# KiCad board sakura50.kicad_pcb
title: Sakura50; date: 2022-03-10; rev: 1.0; company: HorrorTroll
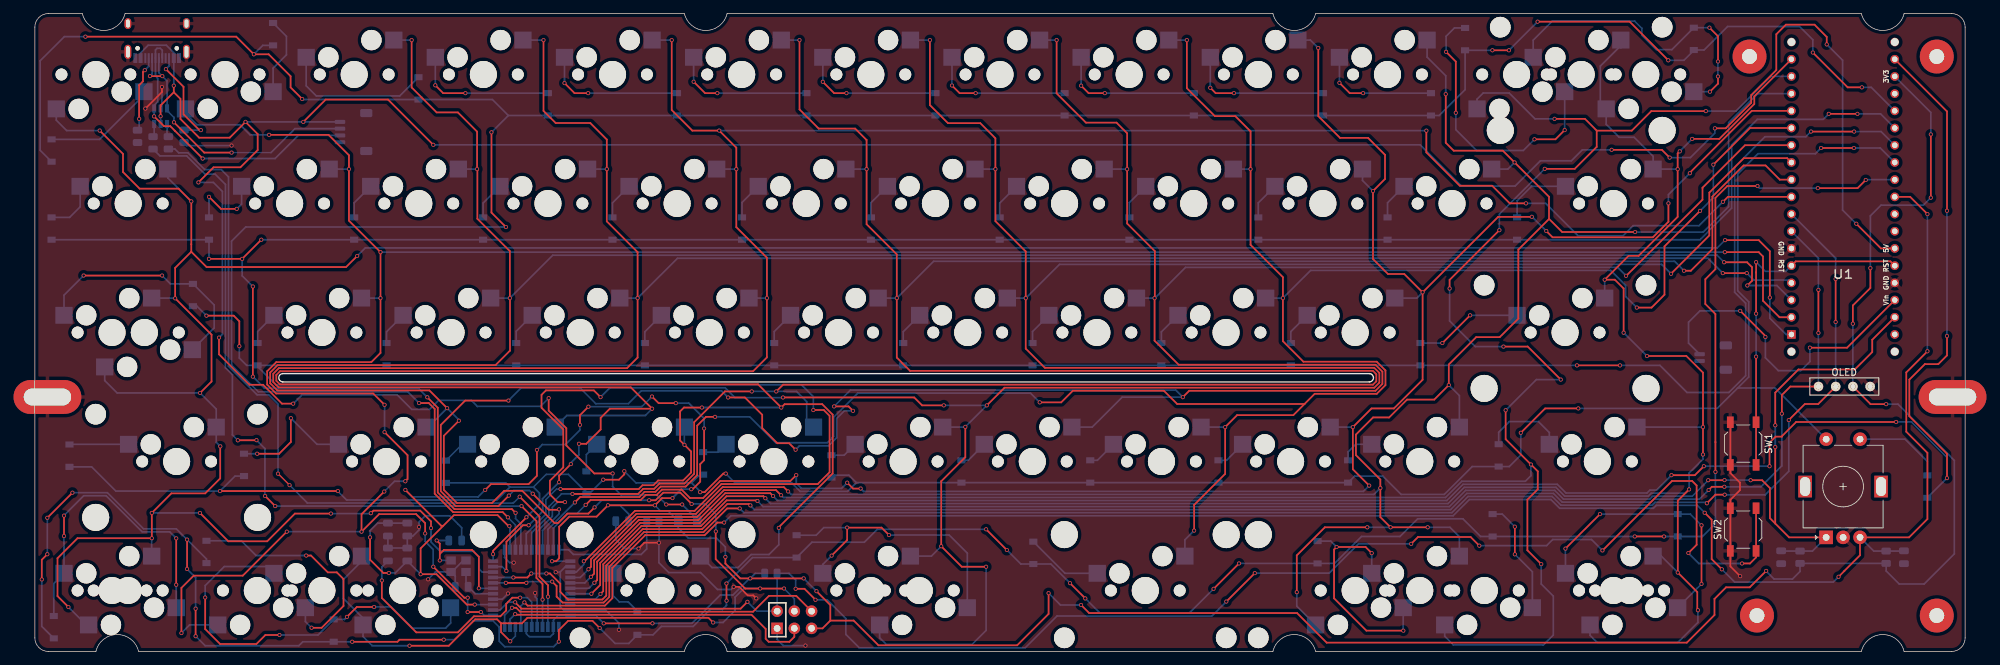
[diagram p0: board, top side]
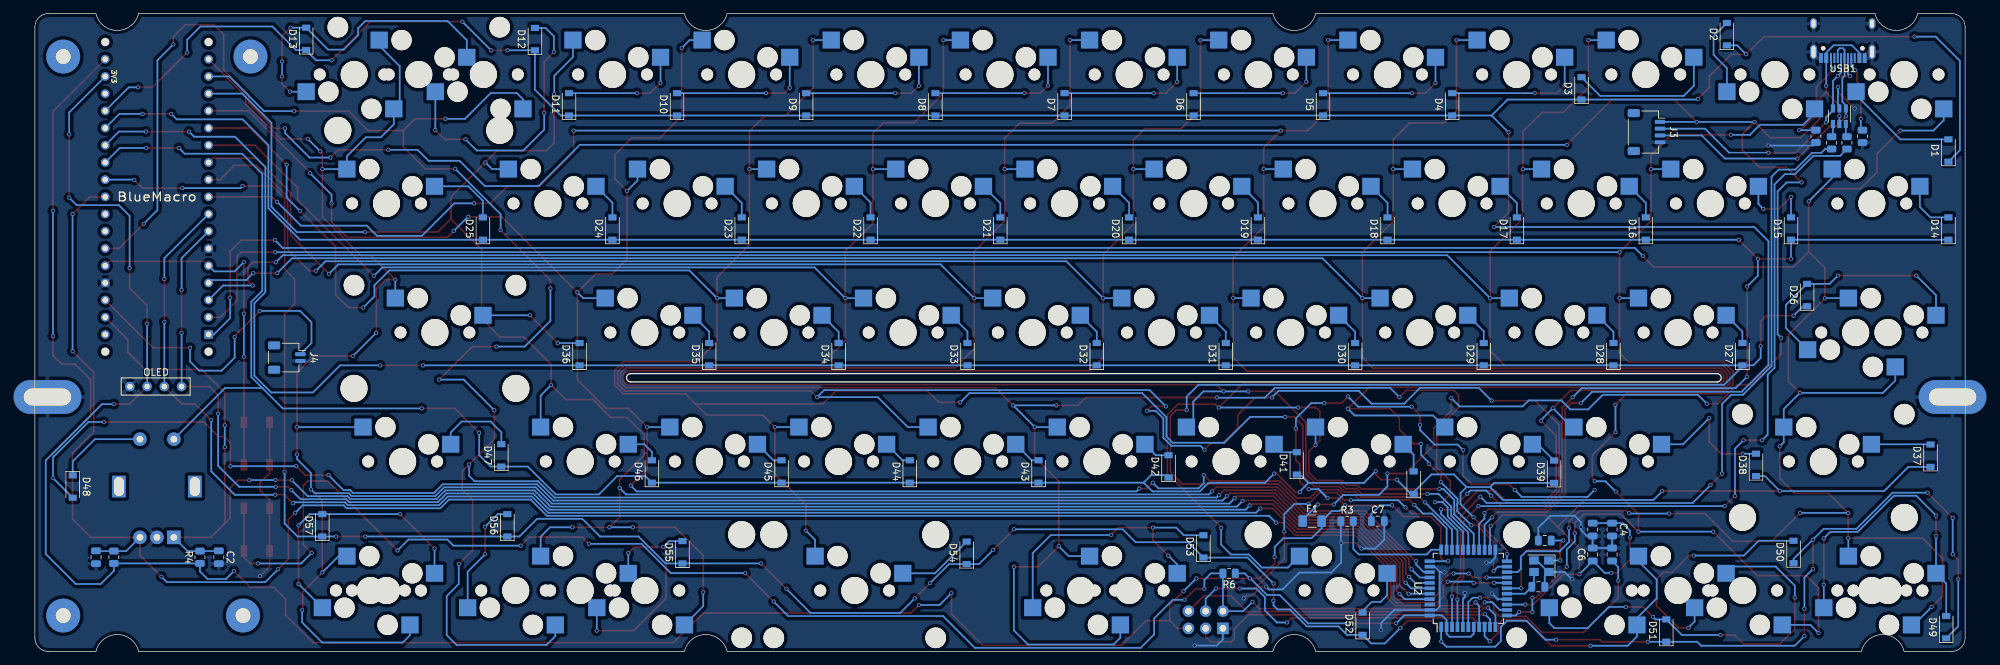
[diagram p1: board, bottom side, seen from below]

Outline 284.7 x 94.2 mm; copper layers: Top, Bottom. Coordinates in mm from the lower left corner of the outline.
Outline path: 0,92.2 0,2 arc(0.59,0.59) 2,0 9,0 arc(12.15,2.5) 15.3,0 95.8,0 arc(98.95,2.5) 102.1,0 182.6,0 arc(185.75,2.5) 188.9,0 269.4,0 arc(272.55,2.5) 275.7,0 282.7,0 arc(284.11,0.59) 284.7,2 284.7,92.2 arc(284.11,93.61) 282.7,94.2 275.7,94.2 arc(272.55,91.7) 269.4,94.2 188.9,94.2 arc(185.75,91.7) 182.6,94.2 102.1,94.2 arc(98.95,91.7) 95.8,94.2 13.3,94.2 arc(10.15,91.7) 7,94.2 2,94.2 arc(0.59,93.61) 0,92.2 ; 36.56,39.8 arc(35.98,40.42) 36.56,41.03 196.85,41.03 arc(197.43,40.42) 196.85,39.8 36.56,39.8

## Placement (name value [footprint] x y rotation side)
C1  1u  [C_0805_2012Metric]  52.07 14.32 90 bottom
C2  100n  [C_0805_2012Metric]  257.57 13.91 270 bottom
C3  100n  [C_0805_2012Metric]  275.68 13.91 270 bottom
C4  0.1u  [C_0805_2012Metric]  52.07 18 270 bottom
C5  0.1u  [C_0805_2012Metric]  54.93 18 270 bottom
C6  0.1u  [C_0805_2012Metric]  54.93 14.32 90 bottom
C7  10u  [C_0805_2012Metric]  86.63 19.24 180 bottom
C8  22p  [C_0805_2012Metric]  62.95 9.55 180 bottom
C9  22p  [C_0805_2012Metric]  62 16.38 0 bottom
D1  1N4148  [D_SOD-123]  2.46 73.97 90 bottom
D2  1N4148  [D_SOD-123]  35.14 91.15 90 bottom
D3  1N4148  [D_SOD-123]  56.58 83.15 90 bottom
D4  1N4148  [D_SOD-123]  75.66 80.79 90 bottom
D5  1N4148  [D_SOD-123]  94.71 80.79 90 bottom
D6  1N4148  [D_SOD-123]  113.8 80.79 90 bottom
D7  1N4148  [D_SOD-123]  132.83 80.79 90 bottom
D8  1N4148  [D_SOD-123]  151.88 80.79 90 bottom
D9  1N4148  [D_SOD-123]  170.94 80.79 90 bottom
D10  1N4148  [D_SOD-123]  189.99 80.79 90 bottom
D11  1N4148  [D_SOD-123]  205.92 80.79 90 bottom
D12  1N4148  [D_SOD-123]  210.94 90.42 90 bottom
D13  1N4148  [D_SOD-123]  244.68 90.46 90 bottom
D14  1N4148  [D_SOD-123]  2.46 62.45 90 bottom
D15  1N4148  [D_SOD-123]  25.68 62.45 90 bottom
D16  1N4148  [D_SOD-123]  47.09 62.45 90 bottom
D17  1N4148  [D_SOD-123]  66.11 62.45 90 bottom
D18  1N4148  [D_SOD-123]  85.19 62.45 90 bottom
D19  1N4148  [D_SOD-123]  104.3 62.45 90 bottom
D20  1N4148  [D_SOD-123]  123.31 62.45 90 bottom
D21  1N4148  [D_SOD-123]  142.3 62.45 90 bottom
D22  1N4148  [D_SOD-123]  161.44 62.45 90 bottom
D23  1N4148  [D_SOD-123]  180.44 62.45 90 bottom
D24  1N4148  [D_SOD-123]  199.51 62.45 90 bottom
D25  1N4148  [D_SOD-123]  218.62 62.45 90 bottom
D26  1N4148  [D_SOD-123]  23.31 52.63 90 bottom
D27  1N4148  [D_SOD-123]  32.85 43.9 90 bottom
D28  1N4148  [D_SOD-123]  51.87 43.9 90 bottom
D29  1N4148  [D_SOD-123]  70.99 43.9 90 bottom
D30  1N4148  [D_SOD-123]  89.97 43.9 90 bottom
D31  1N4148  [D_SOD-123]  109.05 43.9 90 bottom
D32  1N4148  [D_SOD-123]  128.08 43.9 90 bottom
D33  1N4148  [D_SOD-123]  147.15 43.9 90 bottom
D34  1N4148  [D_SOD-123]  166.15 43.9 90 bottom
D35  1N4148  [D_SOD-123]  185.25 43.9 90 bottom
D36  1N4148  [D_SOD-123]  204.36 43.9 90 bottom
D37  1N4148  [D_SOD-123]  5.1 28.91 90 bottom
D38  1N4148  [D_SOD-123]  30.84 27.55 90 bottom
D39  1N4148  [D_SOD-123]  60.63 26.54 90 bottom
D40  1N4148  [D_SOD-123]  81.34 24.94 90 bottom
D41  1N4148  [D_SOD-123]  98.57 27.77 90 bottom
D42  1N4148  [D_SOD-123]  117.49 27.33 90 bottom
D43  1N4148  [D_SOD-123]  136.66 26.58 90 bottom
D44  1N4148  [D_SOD-123]  155.66 26.58 90 bottom
D45  1N4148  [D_SOD-123]  174.57 26.58 90 bottom
D46  1N4148  [D_SOD-123]  193.69 26.58 90 bottom
D47  1N4148  [D_SOD-123]  215.9 28.95 90 bottom
D48  1N4148  [D_SOD-123]  279.12 24.35 270 bottom
D49  1N4148  [D_SOD-123]  2.79 3.58 90 bottom
D50  1N4148  [D_SOD-123]  25.31 14.69 90 bottom
D51  1N4148  [D_SOD-123]  44.08 3.08 90 bottom
D52  1N4148  [D_SOD-123]  88.87 4.1 90 bottom
D53  1N4148  [D_SOD-123]  112.35 15.51 90 bottom
D54  1N4148  [D_SOD-123]  147.27 14.56 90 bottom
D55  1N4148  [D_SOD-123]  189.19 14.65 90 bottom
D56  1N4148  [D_SOD-123]  215.01 18.63 90 bottom
D57  1N4148  [D_SOD-123]  242.3 18.63 90 bottom
F1  500mA  [Fuse_1206_3216Metric]  96.31 19.24 180 bottom
H1  M2  [MountingHole_M2]  252.9 87.85 0 top
H2  M2  [MountingHole_M2]  280.52 87.85 0 top
H3  M2  [MountingHole_M2]  254 5.3 0 top
H4  M2  [MountingHole_M2]  280.52 5.3 0 top
J1  -  [OLED]  263.07 39.12 0 top
J2  AVR-ISP-6  [Reset_Pretty]  112.02 4.68 270 top
J3  JST SH 4-pin  [JST_SH_SM04B-SRSS-TB_1x04-1MP_P1.00mm_Horizontal]  47 76.7 270 bottom
J4  Battery  [JST_SH_SM02B-SRSS-TB_1x02-1MP_P1.00mm_Horizontal]  247.54 43.4 270 bottom
MX1  1u  [MXOnly-1U-Hotswap]  9 85.2 180 top
MX2  1u  [MXOnly-1U-Hotswap]  28.05 85.2 180 top
MX3  1u  [MXOnly-1U-Hotswap]  47.1 85.2 0 top
MX4  1u  [MXOnly-1U-Hotswap]  66.15 85.2 0 top
MX5  1u  [MXOnly-1U-Hotswap]  85.2 85.2 0 top
MX6  1u  [MXOnly-1U-Hotswap]  104.25 85.2 0 top
MX7  1u  [MXOnly-1U-Hotswap]  123.3 85.2 0 top
MX8  1u  [MXOnly-1U-Hotswap]  142.35 85.2 0 top
MX9  1u  [MXOnly-1U-Hotswap]  161.4 85.2 0 top
MX10  1u  [MXOnly-1U-Hotswap]  180.45 85.2 0 top
MX11  1u  [MXOnly-1U-Hotswap]  199.5 85.2 0 top
MX12  1u  [MXOnly-1U-Hotswap]  218.55 85.2 180 top
MX13  1u  [MXOnly-1U-Hotswap]  237.6 85.2 180 top
MX14  2u  [MXOnly-2U-Hotswap]  228.08 85.2 0 top
MX15  1.5u  [MXOnly-1.5U-Hotswap]  13.76 66.15 0 top
MX16  1u  [MXOnly-1U-Hotswap]  37.58 66.15 0 top
MX17  1u  [MXOnly-1U-Hotswap]  56.62 66.15 0 top
MX18  1u  [MXOnly-1U-Hotswap]  75.67 66.15 0 top
MX19  1u  [MXOnly-1U-Hotswap]  94.72 66.15 0 top
MX20  1u  [MXOnly-1U-Hotswap]  113.78 66.15 0 top
MX21  1u  [MXOnly-1U-Hotswap]  132.82 66.15 0 top
MX22  1u  [MXOnly-1U-Hotswap]  151.88 66.15 0 top
MX23  1u  [MXOnly-1U-Hotswap]  170.93 66.15 0 top
MX24  1u  [MXOnly-1U-Hotswap]  189.97 66.15 0 top
MX25  1u  [MXOnly-1U-Hotswap]  209.03 66.15 0 top
MX26  1.5u  [MXOnly-1.5U-Hotswap]  232.84 66.15 0 top
MX27  1.25u  [MXOnly-1.25U-Hotswap]  11.38 47.1 0 top
MX28  1.75u  [MXOnly-1.75U-Hotswap]  16.14 47.1 180 top
MX29  1u  [MXOnly-1U-Hotswap]  42.34 47.1 0 top
MX30  1u  [MXOnly-1U-Hotswap]  61.39 47.1 0 top
MX31  1u  [MXOnly-1U-Hotswap]  80.44 47.1 0 top
MX32  1u  [MXOnly-1U-Hotswap]  99.49 47.1 0 top
MX33  1u  [MXOnly-1U-Hotswap]  118.54 47.1 0 top
MX34  1u  [MXOnly-1U-Hotswap]  137.59 47.1 0 top
MX35  1u  [MXOnly-1U-Hotswap]  156.64 47.1 0 top
MX36  1u  [MXOnly-1U-Hotswap]  175.69 47.1 0 top
MX37  1u  [MXOnly-1U-Hotswap]  194.74 47.1 0 top
MX38  2.25u  [MXOnly-2.25U-Hotswap]  225.7 47.1 0 top
MX39  2.25u  [MXOnly-2.25U-Hotswap]  20.91 28.05 0 top
MX40  1u  [MXOnly-1U-Hotswap]  51.86 28.05 0 top
MX41  1u  [MXOnly-1U-Hotswap]  70.91 28.05 0 top
MX42  1u  [MXOnly-1U-Hotswap]  89.96 28.05 0 top
MX43  1u  [MXOnly-1U-Hotswap]  109.01 28.05 0 top
MX44  1u  [MXOnly-1U-Hotswap]  128.06 28.05 0 top
MX45  1u  [MXOnly-1U-Hotswap]  147.11 28.05 0 top
MX46  1u  [MXOnly-1U-Hotswap]  166.16 28.05 0 top
MX47  1u  [MXOnly-1U-Hotswap]  185.21 28.05 0 top
MX48  1u  [MXOnly-1U-Hotswap]  204.26 28.05 0 top
MX49  1.75u  [MXOnly-1.75U-Hotswap]  230.45 28.05 0 top
MX50  Knob  [RotaryEncoder_EC11]  266.7 24.35 90 top
MX51  1.25u  [MXOnly-1.25U-Hotswap]  11.38 9 0 top
MX52  1u  [MXOnly-1U-Hotswap]  32.81 9 180 top
MX53  1.25u  [MXOnly-1.25U-Hotswap]  54.24 9 180 top
MX54  2.75u  [MXOnly-2.75U-Hotswap-ReversedStabilizers]  92.34 9 0 top
MX55  1.25u  [MXOnly-1.25U-Hotswap]  130.44 9 180 top
MX56  2.25u  [MXOnly-2.25U-Hotswap-ReversedStabilizers]  163.78 9 0 top
MX57  1u  [MXOnly-1U-Hotswap]  194.73 9 180 top
MX58  1u  [MXOnly-1U-Hotswap]  213.78 9 180 top
MX59  1.25u  [MXOnly-1.25U-Hotswap]  235.21 9 180 top
MX60  1.5u  [MXOnly-1.5U-Hotswap]  13.76 9 180 top
MX61  1.5u  [MXOnly-1.5U-Hotswap]  42.34 9 0 top
MX62  7u  [MXOnly-7U-Hotswap-ReversedStabilizers]  123.3 9 0 top
MX63  1.5u  [MXOnly-1.5U-Hotswap]  204.26 9 0 top
MX64  1.5u  [MXOnly-1.5U-Hotswap]  232.84 9 0 top
R1  22  [R_0805_2012Metric]  17.43 75.11 270 bottom
R2  22  [R_0805_2012Metric]  19.69 75.11 270 bottom
R3  10k  [R_0805_2012Metric]  91.15 19.24 180 bottom
R4  10k  [R_0805_2012Metric]  260.35 13.91 90 bottom
R5  10k  [R_0805_2012Metric]  273.05 13.91 90 bottom
R6  10k  [R_0805_2012Metric]  108.56 11.53 0 bottom
R7  5.1k  [R_0805_2012Metric]  15.14 76.07 90 bottom
R8  5.1k  [R_0805_2012Metric]  22.01 76.08 270 bottom
S1  Screw_Side  [10x5_7x2.5mm]  1.86 37.58 0 top
S2  Screw_Side  [10x5_7x2.5mm]  282.84 37.58 0 top
SW1  Reset  [SW_SPST_TL3342]  251.97 30.7 270 top
SW2  Reset  [SW_SPST_TL3342]  251.97 18 90 top
U1  BlueMacro  [blue_macro]  266.7 67.13 180 bottom
U2  ATmega32U4-AU  [TQFP-44_10x10mm_P0.8mm]  73.28 9.32 90 bottom
U3  -  [USBLC6-2SC6]  18.54 79.04 0 bottom
USB1  -  [HRO-TYPE-C-31-M-12]  18.04 95.32 0 bottom
Y1  16Mhz  [Crystal_SMD_3225-4Pin_3.2x2.5mm]  62.49 12.59 0 bottom

## Library data of the parts
J2 = -: Field4: VCC; Field5: RST; Field6: GND; Field7: SCK; Field8: MISO; Field9: MOSI
U1 = -: Field4: GND; Field5: GND; Field6: Vin; Field7: RST; Field8: 5V; Field9: RST
U3 = -: Farnell: 1295310

## Footprints (pads in the part's own frame, mm; a bottom-side part is the same pattern mirrored in y, then rotated)
10x5_7x2.5mm
  oval 10x5 hole 7x2.5: 1(0,0)
blue_macro
  round 1.27 hole 1.152 unplated: (-7.62,-22.86) (-7.62,22.86) (7.62,-22.86) (7.62,22.86)
  rect 1.25x1.25 hole 0.825: 1(7.62,-20.32)
  round 1.27 hole 0.825: 2(7.62,-17.78) 3(7.62,-15.24) 4(7.62,-12.7) 5(7.62,-10.16) 6(7.62,-7.62) 7(7.62,-5.08) 8(7.62,-2.54) 9(7.62,0) 10(7.62,2.54) 11(7.62,5.08) 12(7.62,7.62) 13(7.62,10.16) 14(7.62,12.7) 15(7.62,15.24) 16(7.62,17.78) 17(7.62,20.32) 18(-7.62,20.32) 19(-7.62,17.78) 20(-7.62,15.24) 21(-7.62,12.7) 22(-7.62,10.16) 23(-7.62,7.62) 24(-7.62,5.08) 25(-7.62,2.54) 26(-7.62,0) 27(-7.62,-2.54) 28(-7.62,-5.08) 29(-7.62,-7.62) 30(-7.62,-10.16) 31(-7.62,-12.7) 32(-7.62,-15.24) 33(-7.62,-17.78) 34(-7.62,-20.32)
C_0805_2012Metric
  rrect 1x1.45 smd: 1(-0.95,0) 2(0.95,0)
Crystal_SMD_3225-4Pin_3.2x2.5mm
  rect 1.4x1.2 smd: 1(-1.1,-0.85) 2(1.1,-0.85) 3(1.1,0.85) 4(-1.1,0.85)
D_SOD-123
  rect 0.9x1.2 smd: 1(-1.65,0) 2(1.65,0)
Fuse_1206_3216Metric
  rrect 1.25x1.75 smd: 1(-1.4,0) 2(1.4,0)
HRO-TYPE-C-31-M-12
  round 0.65 hole 0.65 unplated: (-2.89,6.25) (2.89,6.25)
  rect 0.6x1.45 smd: 1(-3.225,7.695) 2(-2.45,7.695) 11(2.45,7.695) 12(3.225,7.695)
  rect 0.3x1.45 smd: 3(-1.75,7.695) 4(-1.25,7.695) 5(-0.75,7.695) 6(-0.25,7.695) 7(0.25,7.695) 8(0.75,7.695) 9(1.25,7.695) 10(1.75,7.695)
  oval 1x1.6 hole 0.6x1.2: 13(-4.32,2.6) 13(4.32,2.6)
  oval 1x2.1 hole 0.6x1.7: 13(-4.32,6.78) 13(4.32,6.78)
JST_SH_SM02B-SRSS-TB_1x02-1MP_P1.00mm_Horizontal
  rrect 0.6x1.55 smd: 1(-0.5,2) 2(0.5,2)
  rrect 1.2x1.8 smd: MP(-1.8,-1.875) MP(1.8,-1.875)
JST_SH_SM04B-SRSS-TB_1x04-1MP_P1.00mm_Horizontal
  rrect 0.6x1.55 smd: 1(-1.5,2) 2(-0.5,2) 3(0.5,2) 4(1.5,2)
  rrect 1.2x1.8 smd: MP(-2.8,-1.875) MP(2.8,-1.875)
MountingHole_M2
  round 5 hole 2.2 unplated: (0,0)
MXOnly-1.5U-Hotswap
  round 1.75 hole 1.75 unplated: (-5.08,0) (5.08,0)
  round 3 hole 3 unplated: (-3.81,2.54) (2.54,5.08)
  round 3.988 hole 3.988 unplated: (0,0)
  rect 2.55x2.5 smd far side: 1(-7.085,2.54) 2(5.842,5.08)
MXOnly-1.25U-Hotswap
  round 1.75 hole 1.75 unplated: (-5.08,0) (5.08,0)
  round 3 hole 3 unplated: (-3.81,2.54) (2.54,5.08)
  round 3.988 hole 3.988 unplated: (0,0)
  rect 2.55x2.5 smd far side: 1(-7.085,2.54) 2(5.842,5.08)
MXOnly-1.75U-Hotswap
  round 1.75 hole 1.75 unplated: (-5.08,0) (5.08,0)
  round 3 hole 3 unplated: (-3.81,2.54) (2.54,5.08)
  round 3.988 hole 3.988 unplated: (0,0)
  rect 2.55x2.5 smd far side: 1(-7.085,2.54) 2(5.842,5.08)
MXOnly-1U-Hotswap
  round 1.75 hole 1.75 unplated: (-5.08,0) (5.08,0)
  round 3 hole 3 unplated: (-3.81,2.54) (2.54,5.08)
  round 3.988 hole 3.988 unplated: (0,0)
  rect 2.55x2.5 smd far side: 1(-7.085,2.54) 2(5.842,5.08)
MXOnly-2.25U-Hotswap
  round 3.048 hole 3.048 unplated: (-11.938,6.985) (11.938,6.985)
  round 3.988 hole 3.988 unplated: (-11.938,-8.255) (0,0) (11.938,-8.255)
  round 1.75 hole 1.75 unplated: (-5.08,0) (5.08,0)
  round 3 hole 3 unplated: (-3.81,2.54) (2.54,5.08)
  rect 2.55x2.5 smd far side: 1(-7.085,2.54) 2(5.842,5.08)
MXOnly-2.25U-Hotswap-ReversedStabilizers
  round 3.988 hole 3.988 unplated: (-11.938,8.255) (0,0) (11.938,8.255)
  round 3.048 hole 3.048 unplated: (-11.938,-6.985) (11.938,-6.985)
  round 1.75 hole 1.75 unplated: (-5.08,0) (5.08,0)
  round 3 hole 3 unplated: (-3.81,2.54) (2.54,5.08)
  rect 2.55x2.5 smd far side: 1(-7.085,2.54) 2(5.842,5.08)
MXOnly-2.75U-Hotswap-ReversedStabilizers
  round 3.988 hole 3.988 unplated: (-11.938,8.255) (0,0) (11.938,8.255)
  round 3.048 hole 3.048 unplated: (-11.938,-6.985) (11.938,-6.985)
  round 1.75 hole 1.75 unplated: (-5.08,0) (5.08,0)
  round 3 hole 3 unplated: (-3.81,2.54) (2.54,5.08)
  rect 2.55x2.5 smd far side: 1(-7.085,2.54) 2(5.842,5.08)
MXOnly-2U-Hotswap
  round 3.048 hole 3.048 unplated: (-11.938,6.985) (11.938,6.985)
  round 3.988 hole 3.988 unplated: (-11.938,-8.255) (0,0) (11.938,-8.255)
  round 1.75 hole 1.75 unplated: (-5.08,0) (5.08,0)
  round 3 hole 3 unplated: (-3.81,2.54) (2.54,5.08)
  rect 2.55x2.5 smd far side: 1(-7.085,2.54) 2(5.842,5.08)
MXOnly-7U-Hotswap-ReversedStabilizers
  round 3.988 hole 3.988 unplated: (-57.15,8.255) (0,0) (57.15,8.255)
  round 3.048 hole 3.048 unplated: (-57.15,-6.985) (57.15,-6.985)
  round 1.75 hole 1.75 unplated: (-5.08,0) (5.08,0)
  round 3 hole 3 unplated: (-3.81,2.54) (2.54,5.08)
  rect 2.55x2.5 smd far side: 1(-7.085,2.54) 2(5.842,5.08)
OLED
  round 1.397 hole 0.813: 1(0,0) 2(2.54,0) 3(5.08,0) 4(7.62,0)
R_0805_2012Metric
  rrect 1.025x1.4 smd: 1(-0.912,0) 2(0.912,0)
Reset_Pretty
  round 1.7 hole 1: 1(-1.27,2.54) 2(1.27,2.54) 3(-1.27,0) 4(1.27,0) 5(-1.27,-2.54)
  rect 1.7x1.7 hole 1: 6(1.27,-2.54)
RotaryEncoder_EC11
  rect 3.2x2 hole 2.8x1.5 unplated: (0,5.6) (0,-5.6)
  rect 2x2 hole 1: A(-7.5,2.5)
  round 2 hole 1: B(-7.5,-2.5) C(-7.5,0) S1(7,-2.5) S2(7,2.5)
SW_SPST_TL3342
  rect 1.7x1 smd: 1(-3.15,1.9) 1(3.15,1.9) 2(-3.15,-1.9) 2(3.15,-1.9)
TQFP-44_10x10mm_P0.8mm
  rect 1.5x0.55 smd: 1(-5.7,4) 2(-5.7,3.2) 3(-5.7,2.4) 4(-5.7,1.6) 5(-5.7,0.8) 6(-5.7,0) 7(-5.7,-0.8) 8(-5.7,-1.6) 9(-5.7,-2.4) 10(-5.7,-3.2) 11(-5.7,-4) 23(5.7,-4) 24(5.7,-3.2) 25(5.7,-2.4) 26(5.7,-1.6) 27(5.7,-0.8) 28(5.7,0) 29(5.7,0.8) 30(5.7,1.6) 31(5.7,2.4) 32(5.7,3.2) 33(5.7,4)
  rect 0.55x1.5 smd: 12(-4,-5.7) 13(-3.2,-5.7) 14(-2.4,-5.7) 15(-1.6,-5.7) 16(-0.8,-5.7) 17(0,-5.7) 18(0.8,-5.7) 19(1.6,-5.7) 20(2.4,-5.7) 21(3.2,-5.7) 22(4,-5.7) 34(4,5.7) 35(3.2,5.7) 36(2.4,5.7) 37(1.6,5.7) 38(0.8,5.7) 39(0,5.7) 40(-0.8,5.7) 41(-1.6,5.7) 42(-2.4,5.7) 43(-3.2,5.7) 44(-4,5.7)
USBLC6-2SC6
  rect 0.6x1.2 smd: 1(-0.95,-1.15) 2(0,-1.15) 3(0.95,-1.15) 4(0.95,1.15) 5(0,1.15) 6(-0.95,1.15)

## Nets
+5V: C4.1 C5.1 C6.1 C7.1 F1.2 J1.3 J2.2 R4.1 R5.1 R6.1 U1.19 U2.2 U2.7 U2.14 U2.24 U2.34 U2.44
GND: C1.2 C2.2 C3.2 C4.2 C5.2 C6.2 C7.2 C8.2 C9.2 J1.4 J2.6 J3.4 J4.2 MX50.C R3.1 R7.1 R8.2 S1.1 S2.1 SW1.2 SW2.1 U1.6 U1.31 U2.5 U2.15 U2.23 U2.35 U2.43 U3.2 USB1.1 USB1.12 USB1.13 Y1.2 Y1.4
VBatt: J4.1 U1.32
VBUS: F1.1 J3.1 U1.29 U3.5 USB1.2 USB1.11
/MCU_D+: R1.2 U2.4
/MCU_D-: R2.2 U2.3
col0: MX1.2 MX15.2 MX27.2 MX28.2 MX39.2 MX51.2 MX60.2 U1.1 U2.20
col1: MX2.2 MX16.2 MX29.2 MX52.2 U1.2 U2.12
col2: J2.3 MX3.2 MX17.2 MX30.2 MX40.2 MX53.2 MX61.2 U1.3 U2.9
col3: MX4.2 MX18.2 MX31.2 MX41.2 U1.4 U2.21
col4: MX5.2 MX19.2 MX32.2 MX42.2 MX54.2 U1.9 U2.27
col5: MX6.2 MX20.2 MX33.2 MX43.2 U1.10 U2.28
col6: MX7.2 MX21.2 MX34.2 MX44.2 MX55.2 MX62.2 U1.11 U2.29
col7: MX8.2 MX22.2 MX35.2 MX45.2 U1.12 U2.30
col8: MX9.2 MX23.2 MX36.2 MX46.2 MX56.2 U1.13 U2.31
col9: MX10.2 MX24.2 MX37.2 MX47.2 U1.14 U2.32
col10: MX11.2 MX25.2 MX48.2 MX57.2 MX63.2 U1.15 U2.37
col11: MX12.2 MX58.2 U1.16 U2.38
col12: MX13.2 MX14.2 MX26.2 MX38.2 MX49.2 MX59.2 MX64.2 U1.17 U2.40
col13: D48.2 U1.18 U2.39
D+: J3.3 U3.1 USB1.6 USB1.8
D-: J3.2 U3.3 USB1.5 USB1.7
IO1: R1.1 U3.6
IO2: R2.1 U3.4
MISO: J2.1 U2.11
MOSI: J2.4 U2.10
reset: SW1.1 U1.5 U1.30
rot0: C2.1 MX50.A R4.2 U1.33 U2.41
rot1: C3.1 MX50.B R5.2 U1.26 U2.8
row0: D1.1 D2.1 D3.1 D4.1 D5.1 D6.1 D7.1 D8.1 D9.1 D10.1 D11.1 D12.1 D13.1 U1.21 U2.25
row1: D14.1 D15.1 D16.1 D17.1 D18.1 D19.1 D20.1 D21.1 D22.1 D23.1 D24.1 D25.1 U1.22 U2.26
row2: D26.1 D27.1 D28.1 D29.1 D30.1 D31.1 D32.1 D33.1 D34.1 D35.1 D36.1 U1.23 U2.36
row3: D37.1 D38.1 D39.1 D40.1 D41.1 D42.1 D43.1 D44.1 D45.1 D46.1 D47.1 MX50.S2 U1.24 U2.22
row4: D49.1 D50.1 D51.1 D52.1 D53.1 D54.1 D55.1 D56.1 D57.1 U1.25 U2.1
RST: J2.5 R6.2 SW2.2 U2.13
SCL: J1.2 U1.8 U2.18
SDA: J1.1 U1.7 U2.19
XTAL1: C9.1 U2.17 Y1.1
XTAL2: C8.1 U2.16 Y1.3
Net-(C1-Pad1): C1.1 U2.6
Net-(D1-Pad2): D1.2 MX1.1
Net-(D2-Pad2): D2.2 MX2.1
Net-(D3-Pad2): D3.2 MX3.1
Net-(D4-Pad2): D4.2 MX4.1
Net-(D5-Pad2): D5.2 MX5.1
Net-(D6-Pad2): D6.2 MX6.1
Net-(D7-Pad2): D7.2 MX7.1
Net-(D8-Pad2): D8.2 MX8.1
Net-(D9-Pad2): D9.2 MX9.1
Net-(D10-Pad2): D10.2 MX10.1
Net-(D11-Pad2): D11.2 MX11.1
Net-(D12-Pad2): D12.2 MX12.1
Net-(D13-Pad2): D13.2 MX13.1 MX14.1
Net-(D14-Pad2): D14.2 MX15.1
Net-(D15-Pad2): D15.2 MX16.1
Net-(D16-Pad2): D16.2 MX17.1
Net-(D17-Pad2): D17.2 MX18.1
Net-(D18-Pad2): D18.2 MX19.1
Net-(D19-Pad2): D19.2 MX20.1
Net-(D20-Pad2): D20.2 MX21.1
Net-(D21-Pad2): D21.2 MX22.1
Net-(D22-Pad2): D22.2 MX23.1
Net-(D23-Pad2): D23.2 MX24.1
Net-(D24-Pad2): D24.2 MX25.1
Net-(D25-Pad2): D25.2 MX26.1
Net-(D26-Pad2): D26.2 MX27.1 MX28.1
Net-(D27-Pad2): D27.2 MX29.1
Net-(D28-Pad2): D28.2 MX30.1
Net-(D29-Pad2): D29.2 MX31.1
Net-(D30-Pad2): D30.2 MX32.1
Net-(D31-Pad2): D31.2 MX33.1
Net-(D32-Pad2): D32.2 MX34.1
Net-(D33-Pad2): D33.2 MX35.1
Net-(D34-Pad2): D34.2 MX36.1
Net-(D35-Pad2): D35.2 MX37.1
Net-(D36-Pad2): D36.2 MX38.1
Net-(D37-Pad2): D37.2 MX39.1
Net-(D38-Pad2): D38.2 MX40.1
Net-(D39-Pad2): D39.2 MX41.1
Net-(D40-Pad2): D40.2 MX42.1
Net-(D41-Pad2): D41.2 MX43.1
Net-(D42-Pad2): D42.2 MX44.1
Net-(D43-Pad2): D43.2 MX45.1
Net-(D44-Pad2): D44.2 MX46.1
Net-(D45-Pad2): D45.2 MX47.1
Net-(D47-Pad2): D47.2 MX49.1
Net-(D48-Pad1): D48.1 MX50.S1
Net-(D49-Pad2): D49.2 MX51.1 MX60.1
Net-(D50-Pad2): D50.2 MX52.1
Net-(D51-Pad2): D51.2 MX53.1 MX61.1
Net-(D52-Pad2): D52.2 MX54.1
Net-(D53-Pad2): D53.2 MX55.1 MX62.1
Net-(D54-Pad2): D54.2 MX56.1
Net-(D55-Pad2): D55.2 MX57.1 MX63.1
Net-(D56-Pad2): D56.2 MX58.1
Net-(D57-Pad2): D57.2 MX59.1 MX64.1
Net-(MX48-Pad1): D46.2 MX48.1
Net-(R3-Pad2): R3.2 U2.33
Net-(R7-Pad2): R7.2 USB1.4
Net-(R8-Pad1): R8.1 USB1.10

Pads without a net: J3 MP; J4 MP; U1 20 27 28 34; U2 42; USB1 3 9

## Via types
v1: diameter 0.6, hole 0.4, Top to Bottom, 435 vias

## Routing (per net, layer and track width the routed paths; a pad name or vN(x,y) marks a point on that pad's centre or on a via; arc(x,y) is an arc through that point)
+5V: length 525.6
  Top w0.25: v1(115.28,8.9) 117.32,6.86 117.32,4.56 ; 117.32,4.56 116.17,3.41 J2.2 ; 117.32,4.56 120.77,4.56 124.42,0.91 144.88,0.91 149.51,5.55 v1(149.51,8.61) ; v1(49.44,16.85) 49.44,13.55 51.39,11.59 v1(52.21,11.59) ; v1(91.02,37.65) 91.99,36.67 v1(94.53,36.67) ; v1(69.99,18.51) 69.87,18.51 68.25,20.12 61.8,20.12 56.9,15.22 v1(56.9,11.4) 59.24,11.4 63.72,6.92 v1(64.87,6.92) ; v1(83.9,4.15) 91.09,4.15 v1(91.09,4.15) ; v1(98.71,32.92) 98.71,28.24 98.13,27.67 98.13,25.07 97.02,23.96 ; v1(255.35,11.89) 252.93,9.47 249.44,9.47 247.73,7.76 247.73,5.38 243.65,1.3 190.53,1.3 186.16,5.67 155.5,5.67 v1(154.31,6.86) ; v1(268.14,48.4) 268.14,51.09 270.72,53.67 v1(270.72,56.61) ; v1(94.04,22.65) 92.51,22.65 v1(91.45,21.58) v1(84.52,21.58) 82.85,19.91 78.82,19.91 77.33,18.42 77.33,13.76 76.89,13.32 v1(76.28,13.32) ; v1(279.64,76.35) v1(279.64,67.01) ; v1(74.05,29.76) 74.05,25.94 72.82,24.71 67.28,24.71 v1(66.42,23.85) ; 60.19,18.56 59.94,18.56 v1(54.64,23.85) ; v1(113.39,10.79) v1(105.51,10.79) 104.04,10.79 101.84,12.99 v1(101.84,13.95) ; v1(81.64,36.14) 80.39,34.89 v1(80.39,33.45) ; v1(273.05,36.52) 270.76,36.52 J1.3
  Bottom w0.25: U2.14 v1(64.87,6.92) ; v1(94.53,36.67) 96.44,36.67 98.71,34.41 v1(98.71,32.92) ; v1(91.09,4.15) 96.91,4.15 101.1,8.34 102.96,8.34 105.41,10.79 v1(105.51,10.79) 106.26,11.53 R6.1 ; v1(84.52,21.58) 86.29,21.58 87.58,20.3 C7.1 ; v1(268.14,48.4) 268.14,39.13 ; U1.19 279.64,79.59 v1(279.64,76.35) ; v1(91.45,21.58) 92.29,20.74 93.41,20.74 F1.2 94.91,18.21 96.4,16.72 100.55,16.72 101.84,15.43 v1(101.84,13.95) ; v1(255.35,11.89) 255.35,11.86 256.51,10.7 259.23,10.7 260.35,11.81 R4.1 R5.1 273.05,11.89 274.98,9.96 278.66,9.96 283.1,14.41 283.1,28.21 274.79,36.52 v1(273.05,36.52) ; U2.34 v1(76.28,13.32) ; U2.24 70.08,18.42 v1(69.99,18.51) ; 95.34,23.95 94.04,22.65 v1(94.04,22.65) 95.35,23.96 v1(96.82,23.96) ; v1(113.39,10.79) v1(115.28,8.9) ; v1(80.39,33.45) 80.39,32.69 78.25,30.55 74.84,30.55 v1(74.05,29.76) ; v1(49.44,16.85) 49.44,17.84 50.55,18.95 C4.1 C5.1 ; v1(83.9,4.15) 82.73,5.32 77.18,5.32 76.48,4.62 U2.2 76.48,2.62 76.03,2.17 72.93,2.17 72.48,2.62 U2.7 ; v1(270.72,56.61) 270.72,64.33 272.3,65.9 278.53,65.9 v1(279.64,67.01) ; v1(66.42,23.85) 65.38,22.82 55.68,22.82 v1(54.64,23.85) ; v1(154.31,6.86) 151.26,6.86 v1(149.51,8.61) ; v1(91.02,37.65) 90.73,37.36 90.73,37.35 89.52,36.14 v1(81.64,36.14) ; v1(52.21,11.59) 53.15,11.59 C6.1 v1(56.9,11.4)
GND: length 135.4
  Top w0.25: v1(16.3,80.16) 18.74,82.61 v1(18.74,83.36) ; v1(103.07,9.54) 103.87,9.54 105.14,8.28 105.96,8.28 v1(106.4,7.84) ; SW1.2 SW1.2 250.07,26.35 251.49,24.92 251.49,23.81 250.07,22.39 SW2.1 SW2.1 250.07,12.57 v1(251.52,11.12) ; v1(89.03,15.2) 89.9,16.06 v1(92.04,16.06)
  Bottom w0.25: U2.23 69.28,13.86 70.02,13.12 v1(70.63,13.12) ; C8.2 62,11.13 Y1.4 ; R3.1 92.06,16.09 v1(92.04,16.06) 92.04,13.12 93.5,11.65 98.19,11.65 100.68,9.15 102.68,9.15 v1(103.07,9.54) ; 21.89,75.16 22.34,74.71 v1(29.01,74.71) ; C4.2 C1.2 C6.2 C5.2 55.76,17.05 56.66,17.95 v1(56.66,18.39) 56.66,19.1 57.59,20.03 61.19,20.03 62.95,18.27 C9.2 ; v1(58,10.66) 59.08,11.74 Y1.4 ; U2.5 74.08,7.77 73.79,8.06 v1(73.79,8.65) ; v1(76.82,11.7) 77.43,11.7 77.49,11.76 ; C7.2 85.68,16.51 86.99,15.2 v1(89.03,15.2) ; v1(18.74,83.36) 18.74,80.81 18.54,80.61 U3.2 ; Y1.4 61.49,11.74 63.19,13.44 Y1.2 ; v1(69.78,8.56) 68.94,7.72 U2.15 ; v1(86.14,3.2) 86.14,4.18 84.2,6.12 U2.43 77.98,6.12 77.49,6.61 77.49,11.76 ; 77.49,11.76 78.25,12.52 U2.35 ; v1(113.65,0.87) 110.39,0.87 109.48,1.78 J2.6
VBatt: length 47.6
  Top w0.25: U1.32 267.29,44.86 v1(261.81,44.86) ; v1(255.24,46.44) 255.24,46.59 v1(251.53,50.29)
  Bottom w0.25: v1(261.81,44.86) 261.81,42.81 260.46,41.46 257.15,41.46 255.24,43.38 v1(255.24,46.44) ; J4.1 243.91,45.53 243.91,48.62 245.58,50.29 v1(251.53,50.29)
VBUS: length 463.5
  Top w0.25: v1(27.16,46.34) 27.16,43.88 31.65,39.38 33.66,39.38 36.45,36.59 v1(38.1,36.59) ; v1(268.65,63.16) 272.29,59.51 U1.29 ; v1(247.79,77.25) 249.38,77.25 253.15,81.03 253.15,82.16 256.85,85.86 256.85,91.14 258.26,92.56 262.48,92.56 264.29,90.75 v1(264.29,89.64) ; v1(18.54,79.04) 18.54,80.64 20.49,82.58 ; v1(232.56,74.07) 239.97,74.07 v1(241.12,72.93) ; v1(58.77,74.81) 52.08,81.5 42.89,81.5 v1(39.59,78.2) ; v1(75.78,37.41) 75.78,35.57 78.39,32.96 78.39,30.42 82.52,26.28 v1(85.21,26.28) ; v1(24.12,69.26) 26.36,71.5 30.32,71.5 32.86,74.04 32.86,76.4 v1(31.07,78.2) 28.73,75.87 24.23,75.87 21.47,78.63 21.47,81.6 20.49,82.58 ; 20.49,82.58 v1(20.49,83.55) ; v1(93.12,21.7) v1(95.47,21.7)